# KiCad board pandakbd_panel.kicad_pcb (continued)
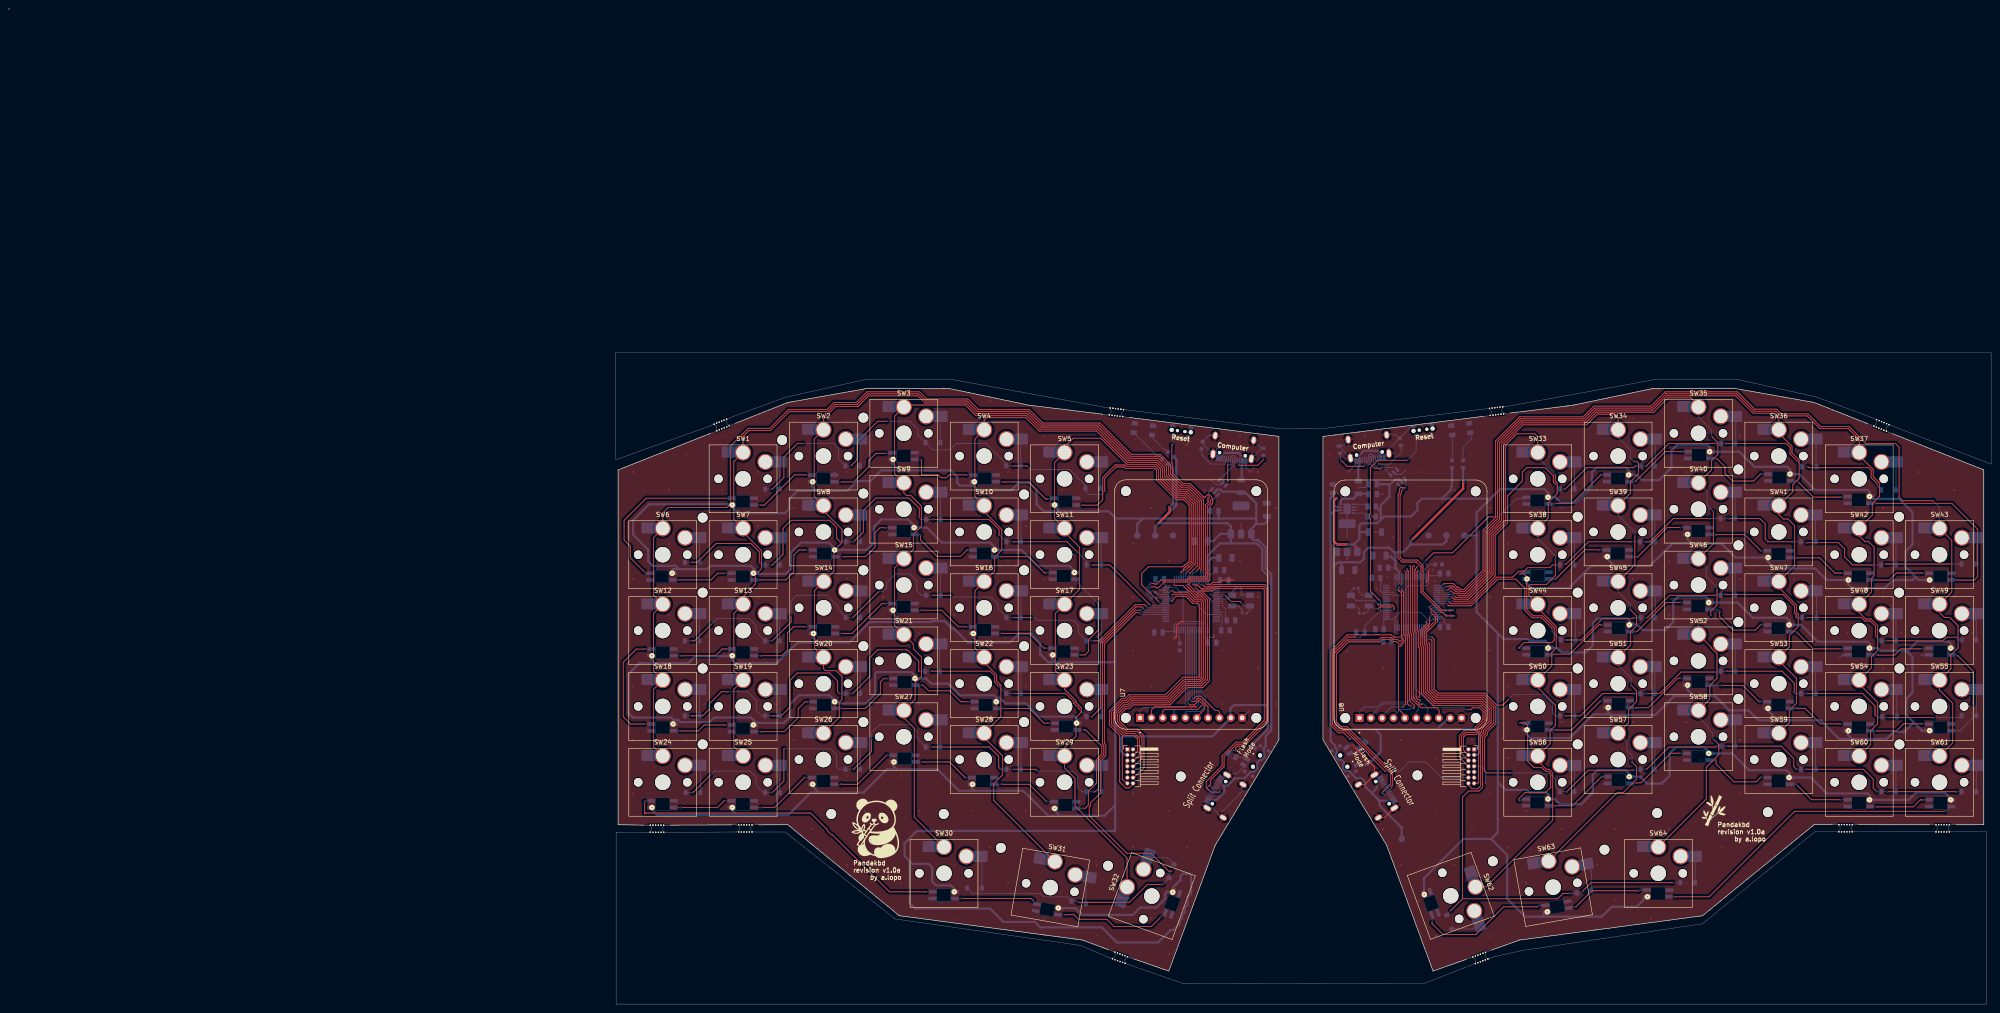
[diagram p0: board, top side]
## Routing (per net, layer and track width the routed paths; a pad name or vN(x,y) marks a point on that pad's centre or on a via; arc(x,y) is an arc through that point) (continued)
  Bottom w0.2: v1(249.31,108.8) D45.1 v1(245.11,108.8) ; v1(281.44,98.4) D47.1 283.7,98.6 v1(284.51,98.6) ; v1(186.66,90.08) 186.45,90.28 U4.40 ; v1(266.91,103.4) 265.7,103.4 D46.1 v1(263.51,103.6) ; v1(209.91,98.4) D43.1 211.7,98.6 v1(212.91,98.6) ; v1(230.71,103.6) D44.1 v1(227.51,103.6) ; D48.1 v1(298.84,98.6)
ROW2a: length 139.9
  Top w0.2: v1(107.11,81.4) 108.31,81.4 116.41,89.5 118.48,89.5 v1(118.77,89.21) ; v1(89.11,86.6) v1(92.91,86.6) ; v1(58.91,92.4) v1(53.11,86.6) ; v1(35.11,81.4) 39.31,85.6 v1(39.31,86.8) ; v1(17.11,81.4) 17.71,81.4 v1(21.31,85) ; v1(71.11,91.6) v1(74.91,91.6)
  Bottom w0.2: v1(58.91,92.4) 59.91,92.4 60.71,93.2 60.71,94.4 62.71,96.4 65.91,96.4 67.51,94.8 67.51,92.6 68.51,91.6 D20.1 v1(71.11,91.6) ; U3.39 120.93,88.79 120.91,88.8 119.18,88.8 v1(118.77,89.21) ; D17.1 v1(17.11,81.4) ; v1(21.31,85) 22.71,86.4 29.91,86.4 31.51,84.8 31.51,83.39 D18.1 v1(35.11,81.4) ; v1(74.91,91.6) 75.11,91.6 75.51,91.2 84.11,91.2 85.71,89.6 85.71,88.6 87.5,86.81 D21.1 v1(89.11,86.6) ; v1(53.11,86.6) D19.1 51.5,86.81 49.91,88.4 49.91,89 47.31,91.6 40.51,91.6 39.31,90.4 v1(39.31,86.8) ; v1(107.11,81.4) D22.1 103.71,83.19 103.71,84.8 102.51,86 94.51,86 93.91,86.6 v1(92.91,86.6)
ROW2b: length 140.9
  Top w0.2: v1(284.91,81.4) 297.31,81.4 298.11,82.2 v1(300.24,82.2) ; v1(282.24,82.4) 282.24,84.64 281.03,85.84 279.83,85.84 279.08,86.6 v1(266.91,86.6) ; v1(246.24,91.6) 236.11,91.6 v1(231.11,86.6) ; v1(213.11,81.6) 216.28,81.6 221.08,86.4 227.84,86.4 228.04,86.6 v1(228.24,86.6) ; v1(209.79,84.2) 207.44,86.55 205.33,86.55 203.66,88.21 203.66,93.2 201.66,95.2 197.59,95.2 191.64,89.25 186.61,89.25 v1(186.36,89.5) ; v1(264.44,86.6) 264.46,86.62 264.46,87.21 264.06,87.61 264.06,89.21 261.48,91.8 v1(248.51,91.8)
  Bottom w0.2: v1(248.51,91.8) 248.11,91.8 247.91,91.6 D51.1 v1(246.24,91.6) ; v1(282.24,82.4) 283.24,81.4 D53.1 v1(284.91,81.4) ; v1(213.11,81.6) D49.1 209.79,83.51 v1(209.79,84.2) ; D54.1 300.84,81.6 v1(300.24,82.2) ; v1(186.36,89.5) 186.08,89.78 U4.41 ; v1(266.91,86.6) D52.1 v1(264.44,86.6) ; v1(231.11,86.6) D50.1 v1(228.24,86.6)
ROW3a: length 159.4
  Top w0.2: v1(35.11,64.6) 37.11,64.6 39.11,66.6 39.11,72.6 40.71,74.2 47.91,74.2 49.71,72.4 49.71,70 v1(50.11,69.6) ; v1(106.71,64.4) 108.61,66.3 108.61,81.06 116.55,89 117.86,89 v1(118.11,88.75) ; v1(67.91,74.6) 67.91,76.8 65.31,79.4 58.71,79.4 56.91,77.6 56.91,73.4 v1(53.11,69.6) ; v1(70.91,74.6) 83.91,74.6 84.91,73.6 84.91,72.13 v1(85.78,71.26) ; v1(89.11,69.6) 100.88,69.6 102.65,67.83 102.65,67.47 102.66,67.45 102.66,67.41 103.81,66.27 v1(103.81,66.09) ; v1(25.11,70) 23.71,70 21.03,67.31 21.03,66.11 19.51,64.6 v1(17.11,64.6)
  Bottom w0.2: v1(106.71,64.4) D28.1 v1(103.81,66.09) ; v1(25.11,70) 29.51,70 31.51,68 31.51,65.8 32.71,64.6 D24.1 v1(35.11,64.6) ; v1(50.11,69.6) D25.1 v1(53.11,69.6) ; v1(70.91,74.6) D26.1 v1(67.91,74.6) ; v1(118.11,88.75) 118.58,88.29 U3.38 ; v1(85.78,71.26) 87.44,69.6 D27.1 v1(89.11,69.6) ; D23.1 v1(17.11,64.6)
ROW3b: length 149.7
  Top w0.2: v1(246.11,74.4) 238.68,74.4 233.88,69.6 v1(231.11,69.6) ; v1(264.04,69.8) 264.04,71.88 261.31,74.6 v1(248.91,74.6) ; v1(212.91,64.6) 216.11,64.6 221.11,69.6 v1(228.11,69.6) ; v1(295.11,64.2) v1(285.11,64.2) ; v1(199.91,68.2) 198.71,67 197.39,67 194.71,69.68 184.26,69.68 183.36,70.58 183.36,81.75 v1(182.86,82.25) ; v1(282.11,64.8) 282.11,66.8 279.31,69.6 v1(266.91,69.6)
  Bottom w0.2: D60.1 301.1,64.2 v1(295.11,64.2) ; v1(212.91,64.6) D55.1 210.51,64.6 209.91,65.2 209.91,67.2 207.71,69.4 201.11,69.4 v1(199.91,68.2) ; v1(182.86,82.25) 182.26,82.25 181.55,82.97 U4.50 ; v1(231.11,69.6) D56.1 v1(228.11,69.6) ; v1(264.04,69.8) 264.24,69.6 D58.1 v1(266.91,69.6) ; v1(282.11,64.8) 282.71,64.2 v1(285.11,64.2) ; v1(246.11,74.4) 247.3,74.4 D57.1 v1(248.91,74.6)
ROW4a: length 176.8
  Top w0.2: v1(71.11,57.6) 83.71,57.6 85.81,55.5 85.81,53.02 v1(86.24,52.6) ; v1(37.71,57.2) 37.71,50 v1(35.11,47.4) ; v1(57.31,59.2) 57.31,56.6 v1(53.31,52.6) ; v1(117.61,88.25) 116.44,88.25 109.06,80.87 109.06,58.29 109.36,57.99 109.36,55.81 108.17,54.62 108.17,48.26 107.51,47.6 v1(107.11,47.6) ; v1(89.31,52.6) 94.11,52.6 v1(94.31,52.4) ; v1(21.11,51.2) v1(17.31,47.4)
  Bottom w0.2: v1(117.61,88.25) 118.06,87.8 120.91,87.8 120.93,87.79 U3.37 ; v1(35.11,47.4) D30.1 33.11,47.4 31.51,49 31.51,50.8 30.11,52.2 22.11,52.2 v1(21.11,51.2) ; v1(37.71,57.2) 48.11,57.2 49.51,55.8 49.51,53.2 50.11,52.6 D31.1 v1(53.31,52.6) ; D29.1 v1(17.31,47.4) ; v1(57.31,59.2) 57.31,60.8 59.11,62.6 66.11,62.6 67.51,61.2 67.51,59.6 69.45,57.66 D32.1 v1(71.11,57.6) ; v1(107.11,47.6) D34.1 104.51,47.6 103.51,48.6 103.51,51 102.31,52.2 94.51,52.2 v1(94.31,52.4) ; v1(86.24,52.6) D33.1 v1(89.31,52.6)
ROW4b: length 166.8
  Top w0.2: v1(282.51,47.6) 281.71,48.4 281.71,50.4 279.51,52.6 v1(266.71,52.6) ; v1(249.11,57.8) 261.11,57.8 263.91,55 263.91,53.2 v1(264.51,52.6) ; v1(213.11,47.6) 217.91,52.4 v1(227.91,52.4) ; v1(182.45,81.7) 182.63,81.7 182.64,81.7 182.66,81.7 182.86,81.5 182.86,70.44 184.08,69.23 194.53,69.23 197.16,66.59 197.16,62.82 195.27,60.93 195.27,60.36 194.67,59.76 194.67,52.25 195.11,51.8 v1(200.31,51.8) ; v1(230.91,52.6) 235.91,57.6 246.44,57.6 v1(246.64,57.8) ; v1(284.91,47.6) v1(300.31,47.6)
  Bottom w0.2: v1(266.71,52.6) D64.1 v1(264.51,52.6) ; v1(182.45,81.7) 182,81.7 181.05,82.65 U4.51 ; v1(300.31,47.6) D66.1 ; v1(230.91,52.6) D62.1 229.3,52.4 v1(227.91,52.4) ; v1(213.11,47.6) D61.1 210.51,48.59 210.51,50.4 209.31,51.6 207.61,51.6 207.43,51.78 206.94,51.78 206.91,51.8 v1(200.31,51.8) ; v1(249.11,57.8) D63.1 v1(246.64,57.8) ; v1(284.91,47.6) D65.1 v1(282.51,47.6)
ROW5a: length 133.2
  Top w0.2: v1(122.51,26.8) 119.11,26.8 115.11,22.8 v1(103.71,22.8) ; v1(124.51,29.8) 123.91,29.8 119.91,33.8 114.51,33.8 106.11,42.2 106.11,44.16 106.36,44.41 106.36,45.03 108.62,47.29 108.62,54.43 109.82,55.63 109.82,58.17 109.51,58.48 109.51,80.69 116.58,87.75 117.25,87.75 v1(117.34,87.66)
  Bottom w0.2: v1(124.51,29.8) 123.99,29.27 D37.1 ; 122.54,26.8 D37.1 ; 122.54,26.8 D37.1 ; 122.54,26.8 v1(122.51,26.8) ; U3.36 120.35,87.29 120.31,87.32 117.68,87.32 v1(117.34,87.66) ; D35.1 79.95,24.8 95.11,24.8 95.88,24.04 101.18,24.04 D36.1 103.43,23.09 v1(103.71,22.8)
ROW5b: length 133.3
  Top w0.2: v1(187.11,21) 189.71,23.6 ; 189.71,23.6 211.04,23.6 212.24,24.8 v1(213.71,24.8) ; 189.71,23.6 189.71,46.35 191.11,47.75 193.39,47.75 194.22,48.57 194.22,59.95 194.82,60.55 194.82,61.11 196.71,63.01 196.71,66.4 194.34,68.78 183.89,68.78 182.36,70.3 182.36,80.8 v1(182.17,81) ; v1(236.71,27.2) 218.51,27.2 v1(216.71,25.4)
  Bottom w0.2: U4.52 180.55,82.37 181.66,81.25 181.86,81.25 182.11,81 v1(182.17,81) ; v1(236.71,27.2) D69.1 ; v1(187.11,21) 186.19,20.07 D67.1 ; v1(213.71,24.8) 215.21,24.8 D68.1 216.23,24.91 v1(216.71,25.4)
SCKa: length 28.3
  Top w0.2: U7.3 122.57,65.66 122.91,66 130.36,66 131.09,66.72 v1(131.17,66.72)
  Bottom w0.2: U3.21 130.67,69.44 131.61,68.5 131.61,67.25 131.17,66.81 v1(131.17,66.72)
SCKb: length 35.4
  Top w0.2: v1(176.36,66.6) 176.96,67.2 176.96,82.46 176.55,82.88 176.55,92.21 176.11,92.65 176.11,93.08 v1(176.06,93.13)
  Bottom w0.2: v1(176.36,66.6) 173.77,66.6 171.77,64.6 ; v1(176.06,93.13) 176.55,93.62 U4.21
SCLa: length 72.4
  Top w0.2: v1(132.86,48.86) 132.9,48.86 133.31,49.27 133.31,50.23 136.29,53.2 136.31,53.2 136.31,55.44 139.13,58.25 140.6,58.25 145.76,63.41 145.76,93.11 145.33,93.55 134.08,93.55 133.56,93.02 132.62,93.02 132.62,93.03 131.71,93.03 131.31,93.03 131.31,93.02 131.31,93.03 131.31,93.03 131.29,93.03 130.88,93.44 130.88,93.44 130.6,93.72 130.6,93.72 130.56,93.76 130.55,93.76 130.4,93.9 129.81,93.9 129.71,94 v1(129.36,94)
  Bottom w0.2: 133.28,47.64 132.84,47.88 132.73,47.88 132.36,48.25 132.36,48.4 132.79,48.82 132.83,48.82 v1(132.86,48.86) 133.23,48.86 133.44,48.64 134.08,48.36 ; v1(129.36,94) 129.67,94.31 U3.58
SCLb: length 58.7
  Top w0.2: v1(173.8,48.69) 173.8,48.83 174.06,49.1 174.06,51.92 163.84,62.15 162.47,62.15 161.47,63.16 161.47,78.44 164.18,81.15 171.15,81.15 171.7,81.7 173.53,81.7 173.98,81.25 174.86,81.25 175.36,80.75 v1(175.61,80.75)
  Bottom w0.2: 172.87,48.92 173.42,49.23 173.8,48.85 v1(173.8,48.69) ; 173.48,48.11 173.88,48.32 173.88,48.62 v1(173.8,48.69) ; v1(173.8,48.69) 173.85,48.75 173.88,48.75 ; v1(175.61,80.75) 176.06,80.75 177.55,82.23 U4.58
ScreenBrighta: length 29.3
  Bottom w0.2: U3.27 127.67,66.76 127.36,66.45 118.16,66.45 117.49,65.78 U7.1
ScreenBrightb: length 45.8
  Top w0.2: v1(179.79,97.15) 179.55,96.91 179.55,83.7 179.81,83.44 179.81,80.73 179.81,80.73 179.81,80.02 180.11,79.73 180.11,69.37 ; 180.11,69.36 180.11,69.36 180.11,69 v1(179.91,68.8)
  Bottom w0.2: v1(179.91,68.8) 178.51,68.8 177.41,67.7 171.7,67.7 170.6,66.6 167.71,66.6 166.69,65.58 166.69,64.6 ; v1(179.79,97.15) 179.79,97.08 179.55,96.83 U4.27
SDAa: length 74.7
  Top w0.2: v1(135.36,47.5) 133.41,47.5 132.31,48.59 132.31,49.86 135.86,53.41 135.86,55.62 138.94,58.7 140.42,58.7 145.31,63.6 145.31,92.92 145.14,93.1 134.27,93.1 133.75,92.57 130.64,92.57 v1(129.86,93.35)
  Bottom w0.2: 134.26,47.65 134.88,47.25 135.11,47.25 v1(135.36,47.5) 135.4,47.53 135.4,48.02 134.86,48.46 ; v1(129.86,93.35) 130.17,93.65 130.17,94.32 130.17,94.33 U3.59
SDAb: length 60.6
  Top w0.2: v1(171.77,47.26) 171.77,47.44 173.61,49.29 173.61,51.74 163.65,61.7 162.29,61.7 161.02,62.97 161.02,78.63 163.99,81.6 170.96,81.6 171.51,82.15 173.71,82.15 174.16,81.7 175.16,81.7 175.56,81.3 175.84,81.3 v1(175.88,81.35)
  Bottom w0.2: 172.26,47.96 171.77,47.69 v1(171.77,47.26) 172.21,46.82 172.79,47.12 ; v1(175.88,81.35) 176.21,81.68 176.21,81.7 177.05,82.53 U4.59
SDCSa: length 24.6
  Top w0.2: U7.6 130.19,64.33 131.86,66 131.86,66.86 130.73,68 130.61,68 129.66,67.05 128.51,67.05 v1(128.36,67.2)
  Bottom w0.2: U3.26 128.17,82.86 128.21,82.82 128.21,67.35 v1(128.36,67.2)
SDCSb: length 37.3
  Top w0.2: v1(179.6,97.99) 179.6,97.95 179.05,97.4 179.05,83.57 179.31,83.3 179.31,69.05 179.36,69 179.36,68.57 179.69,68.25 180.11,68.25 180.29,68.07 v1(180.29,67.94)
  Bottom w0.2: U4.26 179.05,97.4 179.6,97.95 v1(179.6,97.99) ; v1(180.29,67.94) 179.86,67.51 179.86,66 179.31,65.45 179.31,64.68 179.39,64.6
SWCLKa: length 65.4
  Top w0.2: 115.91,54.36 117.36,55.81 117.36,59.59 116.3,60.65 114.39,60.65 111.96,63.07 111.96,65.13 113.94,67.1 114.74,67.1 115.59,67.95 123.84,67.95 127.74,71.85 131.13,71.85 132.11,72.84 132.11,90.5 131.39,91.22 129.81,91.22 128.29,92.74 128.14,92.74 127.08,93.8 125.31,93.8 v1(125.11,94)
  Bottom w0.2: U3.49 125.17,94.06 v1(125.11,94)
SWCLKb: length 49.6
  Top w0.2: v1(181.59,85.72) 181.61,85.7 181.61,85.14 180.26,83.79 180.26,80.91 180.26,80.91 180.26,80.21 180.56,79.92 180.56,69.55 183.24,66.88 189.51,66.88 189.54,66.85 193.7,66.85 194.76,65.79 194.76,63.61 193.01,61.86 193.01,61.3 192.56,60.85 190.33,60.85 189.46,59.99 189.46,56.14 J1.6
  Bottom w0.2: 182.05,84.36 182.05,85.26 v1(181.59,85.72)
SWDIOa: length 63.6
  Top w0.2: 115.91,55.63 116.91,56.63 116.91,59.4 116.11,60.2 114.2,60.2 111.51,62.89 111.51,65.31 113.75,67.55 114.51,67.55 115.36,68.4 123.66,68.4 127.55,72.3 130.94,72.3 131.66,73.02 131.66,90.31 131.24,90.73 129.66,90.73 128.1,92.29 125.14,92.29 124.77,92.65 v1(124.5,92.65)
  Bottom w0.2: U3.46 124.14,92.29 v1(124.5,92.65)
SWDIOb: length 49.6
  Top w0.2: v1(182.38,86.83) 182.38,86.76 182.36,86.75 182.36,85.25 182.35,85.24 182.35,85.24 182.08,84.96 182.07,84.96 180.71,83.6 180.71,81.1 180.71,81.1 180.71,80.4 181.01,80.1 181.01,69.74 183.35,67.4 193.79,67.4 195.22,65.97 195.22,63.43 193.46,61.67 193.46,61.11 192.75,60.4 190.51,60.4 189.91,59.8 189.91,56.96 J1.4
  Bottom w0.2: v1(182.38,86.83) 182.45,86.83 182.9,87.28 U4.46
SWOa: length 65.2
  Top w0.2: v1(127.87,93.79) 128.47,93.19 128.48,93.19 130,91.67 131.58,91.67 132.59,90.66 132.59,72.67 131.31,71.4 127.92,71.4 124.03,67.5 115.78,67.5 114.93,66.65 114.13,66.65 112.41,64.94 112.41,63.26 114.57,61.1 116.76,61.1 117.91,59.95 117.91,55.09 115.91,53.09
  Bottom w0.2: v1(127.87,93.79) 127.87,93.84 128.17,94.14 U3.55
SWOb: length 48
  Top w0.2: J1.8 189.01,55.32 189.01,60.17 190.14,61.3 192.38,61.3 192.56,61.48 192.56,62.05 194.31,63.8 194.31,65.6 193.51,66.4 192.01,66.4 191.61,66 v1(190.86,66)
  Bottom w0.2: U4.55 179.05,70.82 183.46,66.4 189.96,66.4 190.36,66 v1(190.86,66)
UART_RXa: length 67.4
  Top w0.2: v1(124.71,91.72) 124.83,91.84 127.92,91.84 129.47,90.28 131.06,90.28 131.21,90.12 131.21,73.21 130.75,72.75 127.36,72.75 123.47,68.85 115.18,68.85 114.33,68 113.57,68 111.06,65.5 111.06,62.7 113.51,60.25 113.51,58.41 113.51,50.41 114.64,49.28
  Bottom w0.2: v1(124.71,91.72) 124.71,91.18 124.33,90.79 U3.43
UART_RXb: length 55.2
  Top w0.2: v1(182.61,87.75) 182.61,87.75 183.66,86.7 183.66,85.91 181.16,83.41 181.16,81.29 181.17,81.29 181.17,80.58 181.46,80.29 181.46,69.93 183.54,67.85 193.98,67.85 195.67,66.16 195.67,63.24 193.91,61.49 193.91,60.92 193.31,60.32 193.31,49.7 193.09,49.48 J1.13
  Bottom w0.2: 183.29,88.78 182.96,88.78 182.61,88.44 182.61,88.25 182.61,88.25 v1(182.61,87.75)
UART_TXa: length 69.1
  Top w0.2: v1(124.55,90.29) 124.6,90.29 124.91,90.6 124.91,90.8 125.5,91.39 127.73,91.39 129.29,89.83 130.49,89.83 130.76,89.55 130.76,73.4 130.61,73.25 127.11,73.25 123.17,69.31 114.96,69.31 114.11,68.46 113.38,68.46 110.61,65.69 110.61,62.5 112.91,60.2 112.91,49.81 114.29,48.43 115.06,48.43 115.91,49.28
  Bottom w0.2: v1(124.55,90.29) U3.42
UART_TXb: length 59.9
  Top w0.2: J1.14 191.04,49.07 191.86,48.25 193.11,48.25 193.76,48.9 193.76,60.14 194.36,60.74 194.36,61.3 196.12,63.05 196.12,66.35 194.16,68.3 183.73,68.3 181.91,70.11 181.91,80.48 181.62,80.77 181.62,81.47 181.62,81.47 181.62,83.23 182.45,84.06 184.11,85.72 184.11,87.07 v1(182.27,88.91)
  Bottom w0.2: 183.36,89.29 182.65,89.29 v1(182.27,88.91)
USBDa+: length 37.4
  Top w0.2: v1(132.84,113.6) 132.94,113.5 132.94,113.49 132.68,113.23 132.68,112.77 132.78,112.67 132.78,112.5 132.12,111.84 132.12,97.17 132.22,97.07 132.22,96.61 132.11,96.51 132.11,96 131.82,95.7 128.58,95.7 127.9,95.03 122.94,95.03 122.14,95.03 121.23,94.12 120.73,94.12 120.6,94.25 v1(119.86,94.25)
  Bottom w0.2: R13.2 119.52,91.58 119.5,91.58 119.22,91.86 119.22,91.88 118.99,92.11 118.99,93.38 v1(119.86,94.25) ; v1(132.84,113.6) 132.84,114.69 U5.6
USBDa-: length 36.1
  Top w0.2: v1(120.11,93.5) 120.92,93.5 121.17,93.26 121.57,93.26 ; v1(133.23,113) 133.23,112.31 132.57,111.66 132.57,97.36 132.67,97.26 132.67,96.43 132.56,96.32 132.56,95.81 132.24,95.49 132.48,95.25 128.76,95.25 128.09,94.58 127.69,94.58 127.69,94.57 122.89,94.57 121.62,93.31
  Bottom w0.2: 135.12,114.32 133.8,113 v1(133.23,113) ; v1(120.11,93.5) 119.75,93.5 119.44,93.19 119.44,92.3 119.49,92.25 R14.2
USBDb+: length 37.9
  Top w0.2: v1(187.61,88.25) 185.11,88.25 180.86,92.5 180.86,98.25 179.61,99.5 176.36,99.5 175.74,100.12 175.74,114.12 176.06,114.45 176.06,115 v1(176.26,115.2)
  Bottom w0.2: U10.6 176.36,115.42 176.36,115.3 v1(176.26,115.2) ; R15.2 v1(187.61,88.25)
USBDb-: length 41.2
  Top w0.2: v1(176.85,115.68) 176.56,115.68 176.49,115.75 176.04,115.75 175.86,115.75 175.61,115.5 175.61,114.64 175.29,114.31 175.29,99.94 176.18,99.05 179.32,99.05 179.32,99.04 180.41,97.95 180.41,92.31 184.93,87.8 185.31,87.8 186.11,87 v1(187.86,87)
  Bottom w0.2: U10.4 176.8,117.3 177.01,117.09 177.01,116.54 177.01,116.54 177.01,115.85 v1(176.85,115.68) ; R16.2 v1(187.86,87)
Net-(D3-A): length 7.1
  Bottom w0.2: R2.1 189.86,124.75 191.64,126.53 191.64,127.83 D3.2
Net-(D4-A): length 5.7
  Bottom w0.2: D4.2 187.44,121.9 R10.1
Net-(D5-A): length 8.9
  Bottom w0.2: R11.1 121.86,122.84 121.28,122.84 120.13,123.99 120.13,124 D5.2
Net-(D6-A): length 6.3
  Bottom w0.2: 36.41,121.5 36.8,121.11 D6.2
Net-(D7-A): length 6.1
  Bottom w0.2: D7.2 54.75,126.27 SW2.2
Net-(D8-A): length 6
  Bottom w0.2: SW3.2 72.75,131.37 D8.2
Net-(D9-A): length 6.1
  Bottom w0.2: D9.2 90.75,126.27 SW4.2
Net-(D10-A): length 6
  Bottom w0.2: D10.2 108.55,121.37 SW5.2
Net-(D11-A): length 5.7
  Bottom w0.2: SW6.2 18.8,104.12 D11.2
Net-(D12-A): length 6.3
  Bottom w0.2: SW7.2 36.8,104.12 D12.2
Net-(D13-A): length 6.2
  Bottom w0.2: D13.2 54.8,109.22 SW8.2
Net-(D14-A): length 6.3
  Bottom w0.2: D14.2 72.8,114.32 SW9.2
Net-(D15-A): length 6.2
  Bottom w0.2: SW10.2 90.8,109.22 D15.2
Net-(D16-A): length 6.3
  Bottom w0.2: SW11.2 108.8,104.12 D16.2
Net-(D17-A): length 6.3
  Bottom w0.2: D17.2 18.8,87.12 SW12.2
Net-(D18-A): length 6.3
  Bottom w0.2: SW13.2 36.8,87.12 D18.2
Net-(D19-A): length 6.1
  Bottom w0.2: SW14.2 54.8,92.27 D19.2
Net-(D20-A): length 6.3
  Bottom w0.2: SW15.2 72.8,97.32 D20.2
Net-(D21-A): length 6.2
  Bottom w0.2: SW16.2 90.8,92.22 D21.2
Net-(D22-A): length 6.3
  Bottom w0.2: D22.2 108.8,87.12 SW17.2
Net-(D23-A): length 6.1
  Bottom w0.2: SW18.2 18.8,70.12 D23.2
Net-(D24-A): length 6.1
  Bottom w0.2: D24.2 36.8,70.12 SW19.2
Net-(D25-A): length 6.2
  Bottom w0.2: D25.2 54.8,75.22 SW20.2
Net-(D26-A): length 6.2
  Bottom w0.2: SW21.2 72.6,80.52 D26.2
Net-(D27-A): length 6.2
  Bottom w0.2: D27.2 90.8,75.22 SW22.2
Net-(D28-A): length 6.3
  Bottom w0.2: SW23.2 108.8,70.12 D28.2
Net-(D29-A): length 6.3
  Bottom w0.2: SW24.2 19,52.92 D29.2
Net-(D30-A): length 6.3
  Bottom w0.2: SW25.2 36.8,53.12 D30.2
Net-(D31-A): length 6.2
  Bottom w0.2: D31.2 54.8,58.22 SW26.2
Net-(D32-A): length 6.2
  Bottom w0.2: D32.2 72.75,63.37 SW27.2
Net-(D33-A): length 6.2
  Bottom w0.2: D33.2 90.8,58.22 SW28.2
Net-(D34-A): length 6.1
  Bottom w0.2: D34.2 108.85,53.07 SW29.2
Net-(D35-A): length 7.4
  Bottom w0.2: D35.2 82.05,32.47 SW30.2
Net-(D36-A): length 6.1
  Bottom w0.2: D36.2 105.38,28.09 SW31.2
Net-(D37-A): length 6.5
  Bottom w0.2: SW32.2 123.59,32.88 D37.2
Net-(D38-A): length 6.5
  Bottom w0.2: SW33.2 214.42,121.49 215.11,120.8 214.8,120.49 D38.2
Net-(D39-A): length 6.3
  Bottom w0.2: SW34.2 232.91,126.11 232.91,120.71 D39.2
Net-(D40-A): length 6.4
  Bottom w0.2: D40.2 250.91,125.71 250.91,131.21 SW35.2
Net-(D41-A): length 6.4
  Bottom w0.2: SW36.2 268.91,126.11 268.91,120.49 D41.2
Net-(D42-A): length 6.7
  Bottom w0.2: SW37.2 286.42,121.49 287.11,120.8 286.8,120.49 D42.2
Net-(D43-A): length 6.3
  Bottom w0.2: SW38.2 214.8,104.12 D43.2
Net-(D44-A): length 6.2
  Bottom w0.2: D44.2 232.8,109.22 SW39.2
Net-(D45-A): length 6.1
  Bottom w0.2: D45.2 250.8,114.32 SW40.2
Net-(D46-A): length 6.2
  Bottom w0.2: D46.2 268.8,109.22 SW41.2
Net-(D47-A): length 6.3
  Bottom w0.2: D47.2 286.8,104.12 SW42.2
Net-(D48-A): length 6.3
  Bottom w0.2: D48.2 304.71,98.6 304.91,98.8 304.91,104.01 SW43.2
Net-(D49-A): length 6.2
  Bottom w0.2: D49.2 215,86.69 215.11,86.8 214.42,87.49 SW44.2
Net-(D50-A): length 6.3
  Bottom w0.2: SW45.2 232.91,92.11 232.91,86.71 D50.2
Net-(D51-A): length 6.4
  Bottom w0.2: D51.2 250.8,97.09 250.91,97.2 250.42,97.69 SW46.2
Net-(D52-A): length 6.2
  Bottom w0.2: D52.2 269,91.91 268.42,92.49 SW47.2
Net-(D53-A): length 6.4
  Bottom w0.2: D53.2 286.8,87.01 286.91,87.01 SW48.2
Net-(D54-A): length 6.1
  Bottom w0.2: D54.2 304.8,85.89 304.42,86.27 SW49.2
Net-(D55-A): length 6.1
  Bottom w0.2: SW50.2 214.8,70.12 D55.2
Net-(D56-A): length 6.2
  Bottom w0.2: SW51.2 232.8,75.22 D56.2
Net-(D57-A): length 6.3
  Bottom w0.2: D57.2 250.8,80.32 SW52.2
Net-(D58-A): length 6.2
  Bottom w0.2: SW53.2 268.8,75.22 D58.2
Net-(D59-A): length 6.3
  Bottom w0.2: D59.2 287,69.92 SW54.2
Net-(D60-A): length 6.1
  Bottom w0.2: SW55.2 304.8,70.12 D60.2
Net-(D61-A): length 6.1
  Bottom w0.2: SW56.2 214.8,53.12 D61.2
Net-(D62-A): length 6.2
  Bottom w0.2: SW57.2 232.8,58.22 D62.2
Net-(D63-A): length 6.1
  Bottom w0.2: SW58.2 250.8,63.32 D63.2
Net-(D64-A): length 6.2
  Bottom w0.2: D64.2 268.8,58.22 SW59.2
Net-(D65-A): length 6.1
  Bottom w0.2: SW60.2 286.8,53.12 D65.2
Net-(D66-A): length 6.1
  Bottom w0.2: SW61.2 304.8,53.12 D66.2
Net-(D67-A): length 6.6
  Bottom w0.2: D67.2 192,16.85 SW62.2
Net-(D68-A): length 6.4
  Bottom w0.2: D68.2 218.58,29.82 SW63.2
Net-(D69-A): length 6.1
  Bottom w0.2: D69.2 241.8,32.72 SW64.2
Net-(D70-A): length 5.5
  Bottom w0.2: D70.2 120.17,126.95 122.86,124.25 123.23,124.25 R12.1
Net-(LED1-DOUT): length 14.7
  Top w0.2: v1(86.71,117) 92.51,117 96.31,113.2 v1(96.71,113.2)
  Bottom w0.2: 98.21,113.35 98.06,113.2 v1(96.71,113.2) ; 85.22,117.05 85.27,117 v1(86.71,117)
Net-(LED2-DOUT): length 17.2
  Top w0.2: v1(68.51,122) 68.51,118.6 72.26,118.6 72.91,117.95 74.11,117.95 74.77,118.6 v1(78.51,118.6)
  Bottom w0.2: v1(68.51,122) 67.07,122 67.02,122.05 ; v1(78.51,118.6) 80.16,118.6 80.21,118.55
Net-(LED3-DOUT): length 16.6
  Top w0.2: v1(60.31,123.4) 58.31,123.4 56.71,121.8 56.71,120.4 53.31,117 v1(50.71,117)
  Bottom w0.2: v1(60.31,123.4) 61.86,123.4 62.01,123.55 ; 49.02,117.05 49.07,117 v1(50.71,117)
Net-(LED4-DOUT): length 15.9
  Top w0.2: v1(42.51,118.6) 40.11,118.6 33.31,111.8 v1(32.51,111.8)
  Bottom w0.2: v1(32.51,111.8) 32.46,111.85 31.02,111.85 ; v1(42.51,118.6) 43.96,118.6 44.01,118.55
Net-(LED5-DOUT): length 41.1
  Top w0.2: v1(24.71,113.35) 6.86,113.35 1.91,108.4 1.91,104 3.31,102.6 3.31,100 v1(6.31,97)
  Bottom w0.2: 7.81,96.55 6.76,96.55 v1(6.31,97) ; 26.01,113.35 v1(24.71,113.35)
Net-(LED6-DOUT): length 13.8
  Top w0.2: v1(24.31,96.55) 22.86,96.55 21.36,95.05 v1(14.31,95.05)
  Bottom w0.2: v1(24.31,96.55) 26.01,96.55 ; 12.82,95.05 v1(14.31,95.05)
Net-(LED7-DOUT): length 18.2
  Top w0.2: v1(42.51,101.75) 41.06,101.75 39.91,100.6 39.91,96.8 38.16,95.05 v1(32.31,95.05)
  Bottom w0.2: v1(42.51,101.75) 44.21,101.75 ; 31.02,95.05 v1(32.31,95.05)
Net-(LED8-DOUT): length 17.4
  Top w0.2: v1(51.11,100.25) 55.96,100.25 58.11,102.4 58.11,105.6 59.26,106.75 v1(60.31,106.75)
  Bottom w0.2: 49.22,100.25 v1(51.11,100.25) ; v1(60.31,106.75) 62.01,106.75
Net-(LED10-DIN): length 16.3
  Top w0.2: v1(78.71,101.75) 77.3,100.33 72.01,100.33 68.31,104.02 v1(68.31,105.2)
  Bottom w0.2: 67.02,105.25 68.26,105.25 v1(68.31,105.2) ; v1(78.71,101.75) 80.01,101.75
Net-(LED10-DOUT): length 14.5
  Top w0.2: v1(96.51,96.7) 96.42,96.6 96.11,96.6 92.46,100.25 v1(86.31,100.25)
  Bottom w0.2: 85.02,100.25 v1(86.31,100.25) ; v1(96.51,96.7) 97.91,96.7
Net-(LED11-DOUT): length 22.7
  Top w0.2: v1(104.31,78.25) 105.16,78.25 105.91,79 105.91,81.6 108.11,83.8 v1(108.11,89.8)
  Bottom w0.2: v1(108.11,89.8) 102.92,95 102.92,95.2 ; v1(104.31,78.25) 102.82,78.25
Net-(LED12-DOUT): length 14.2
  Top w0.2: v1(86.51,83.05) 92.66,83.05 95.96,79.75 v1(96.31,79.75)
  Bottom w0.2: v1(96.31,79.75) 97.81,79.75 ; 85.02,83.05 v1(86.51,83.05)
Net-(LED13-DOUT): length 14.5
  Top w0.2: v1(68.51,88.25) 73.06,88.25 76.76,84.55 v1(78.51,84.55)
  Bottom w0.2: v1(78.51,84.55) 80.01,84.55 ; v1(68.51,88.25) 67.02,88.25
Net-(LED14-DOUT): length 15.6
  Top w0.2: v1(50.71,83.05) 52.96,83.05 59.66,89.75 v1(60.31,89.75)
  Bottom w0.2: v1(50.71,83.05) 49.22,83.05 ; 62.01,89.75 v1(60.31,89.75)
Net-(LED15-DOUT): length 18.2
  Top w0.2: v1(32.51,78.07) 37.31,78.07 37.33,78.09 37.33,78.12 38.51,79.3 38.51,83.2 39.86,84.55 v1(42.31,84.55)
  Bottom w0.2: v1(32.51,78.07) 31.02,78.07 ; 44.21,84.55 v1(42.31,84.55)
Net-(LED16-DOUT): length 13.6
  Top w0.2: v1(24.71,79.57) 23.91,79.57 22.4,78.05 v1(14.71,78.05)
  Bottom w0.2: v1(24.71,79.57) 26.01,79.57 ; 13.02,78.05 v1(14.71,78.05)
Net-(LED17-DOUT): length 26.7
  Top w0.2: v1(6.31,62.75) 3.36,62.75 1.71,64.4 1.71,76.6 4.66,79.55 v1(6.51,79.55)
  Bottom w0.2: 8.01,79.55 v1(6.51,79.55) ; v1(6.31,62.75) 8.01,62.75
Net-(LED18-DOUT): length 13.6
  Top w0.2: v1(14.51,61.25) 14.56,61.2 18.51,61.2 19.86,62.55 v1(24.51,62.55)
  Bottom w0.2: v1(24.51,62.55) 26.01,62.55 ; 13.02,61.25 v1(14.51,61.25)
Net-(LED19-DOUT): length 17.1
  Top w0.2: v1(32.51,61.05) 37.76,61.05 40.91,64.2 40.91,66.2 42.46,67.75 v1(42.91,67.75)
  Bottom w0.2: 31.02,61.05 v1(32.51,61.05) ; v1(42.91,67.75) 44.21,67.75
Net-(LED20-DOUT): length 17.3
  Top w0.2: v1(60.71,72.95) 60.06,72.95 59.31,72.2 59.31,69.6 55.96,66.25 v1(50.59,66.25)
  Bottom w0.2: 49.22,66.25 v1(50.59,66.25) ; v1(60.71,72.95) 62.21,72.95
Net-(LED21-DOUT): length 14.7
  Top w0.2: v1(68.71,71.45) 68.86,71.45 70.11,70.2 74.91,70.2 77.36,67.75 v1(78.91,67.75)
  Bottom w0.2: v1(78.91,67.75) 80.41,67.75 ; 67.22,71.45 v1(68.71,71.45)
Net-(LED22-DOUT): length 14.4
  Top w0.2: v1(96.91,62.95) 95.96,62.95 92.66,66.25 v1(86.91,66.25)
  Bottom w0.2: v1(96.91,62.95) 98.41,62.95 ; 85.42,66.25 v1(86.91,66.25)
Net-(LED23-DOUT): length 24.5
  Top w0.2: v1(104.91,61.45) 105.26,61.45 108.91,57.8 108.91,56 107.71,54.8 107.71,54.6 107.72,54.6 107.72,49.51 105.91,47.7 105.91,44.6 105.16,43.85 v1(104.71,43.85)
  Bottom w0.2: v1(104.71,43.85) 103.22,43.85 ; 103.42,61.45 v1(104.91,61.45)
Net-(LED24-DOUT): length 15
  Top w0.2: v1(86.51,49.25) 92.66,49.25 v1(96.51,45.4)
  Bottom w0.2: 84.82,49.25 v1(86.51,49.25) ; 98.21,45.35 96.56,45.35 v1(96.51,45.4)
Net-(LED25-DOUT): length 14
  Top w0.2: v1(78.31,50.75) 74.81,54.25 v1(68.91,54.25)
  Bottom w0.2: v1(78.31,50.75) 79.81,50.75 ; 67.22,54.25 v1(68.91,54.25)
Net-(LED26-DOUT): length 15.9
  Top w0.2: v1(50.51,49.25) 54.22,49.25 v1(60.71,55.75)
  Bottom w0.2: 49.02,49.25 v1(50.51,49.25) ; v1(60.71,55.75) 62.21,55.75
